# Allegro board 1156197-TDI_VU3P_QSFP28_CXP_V001_1023A-166-20241121_1644_PCB.brd (continued)
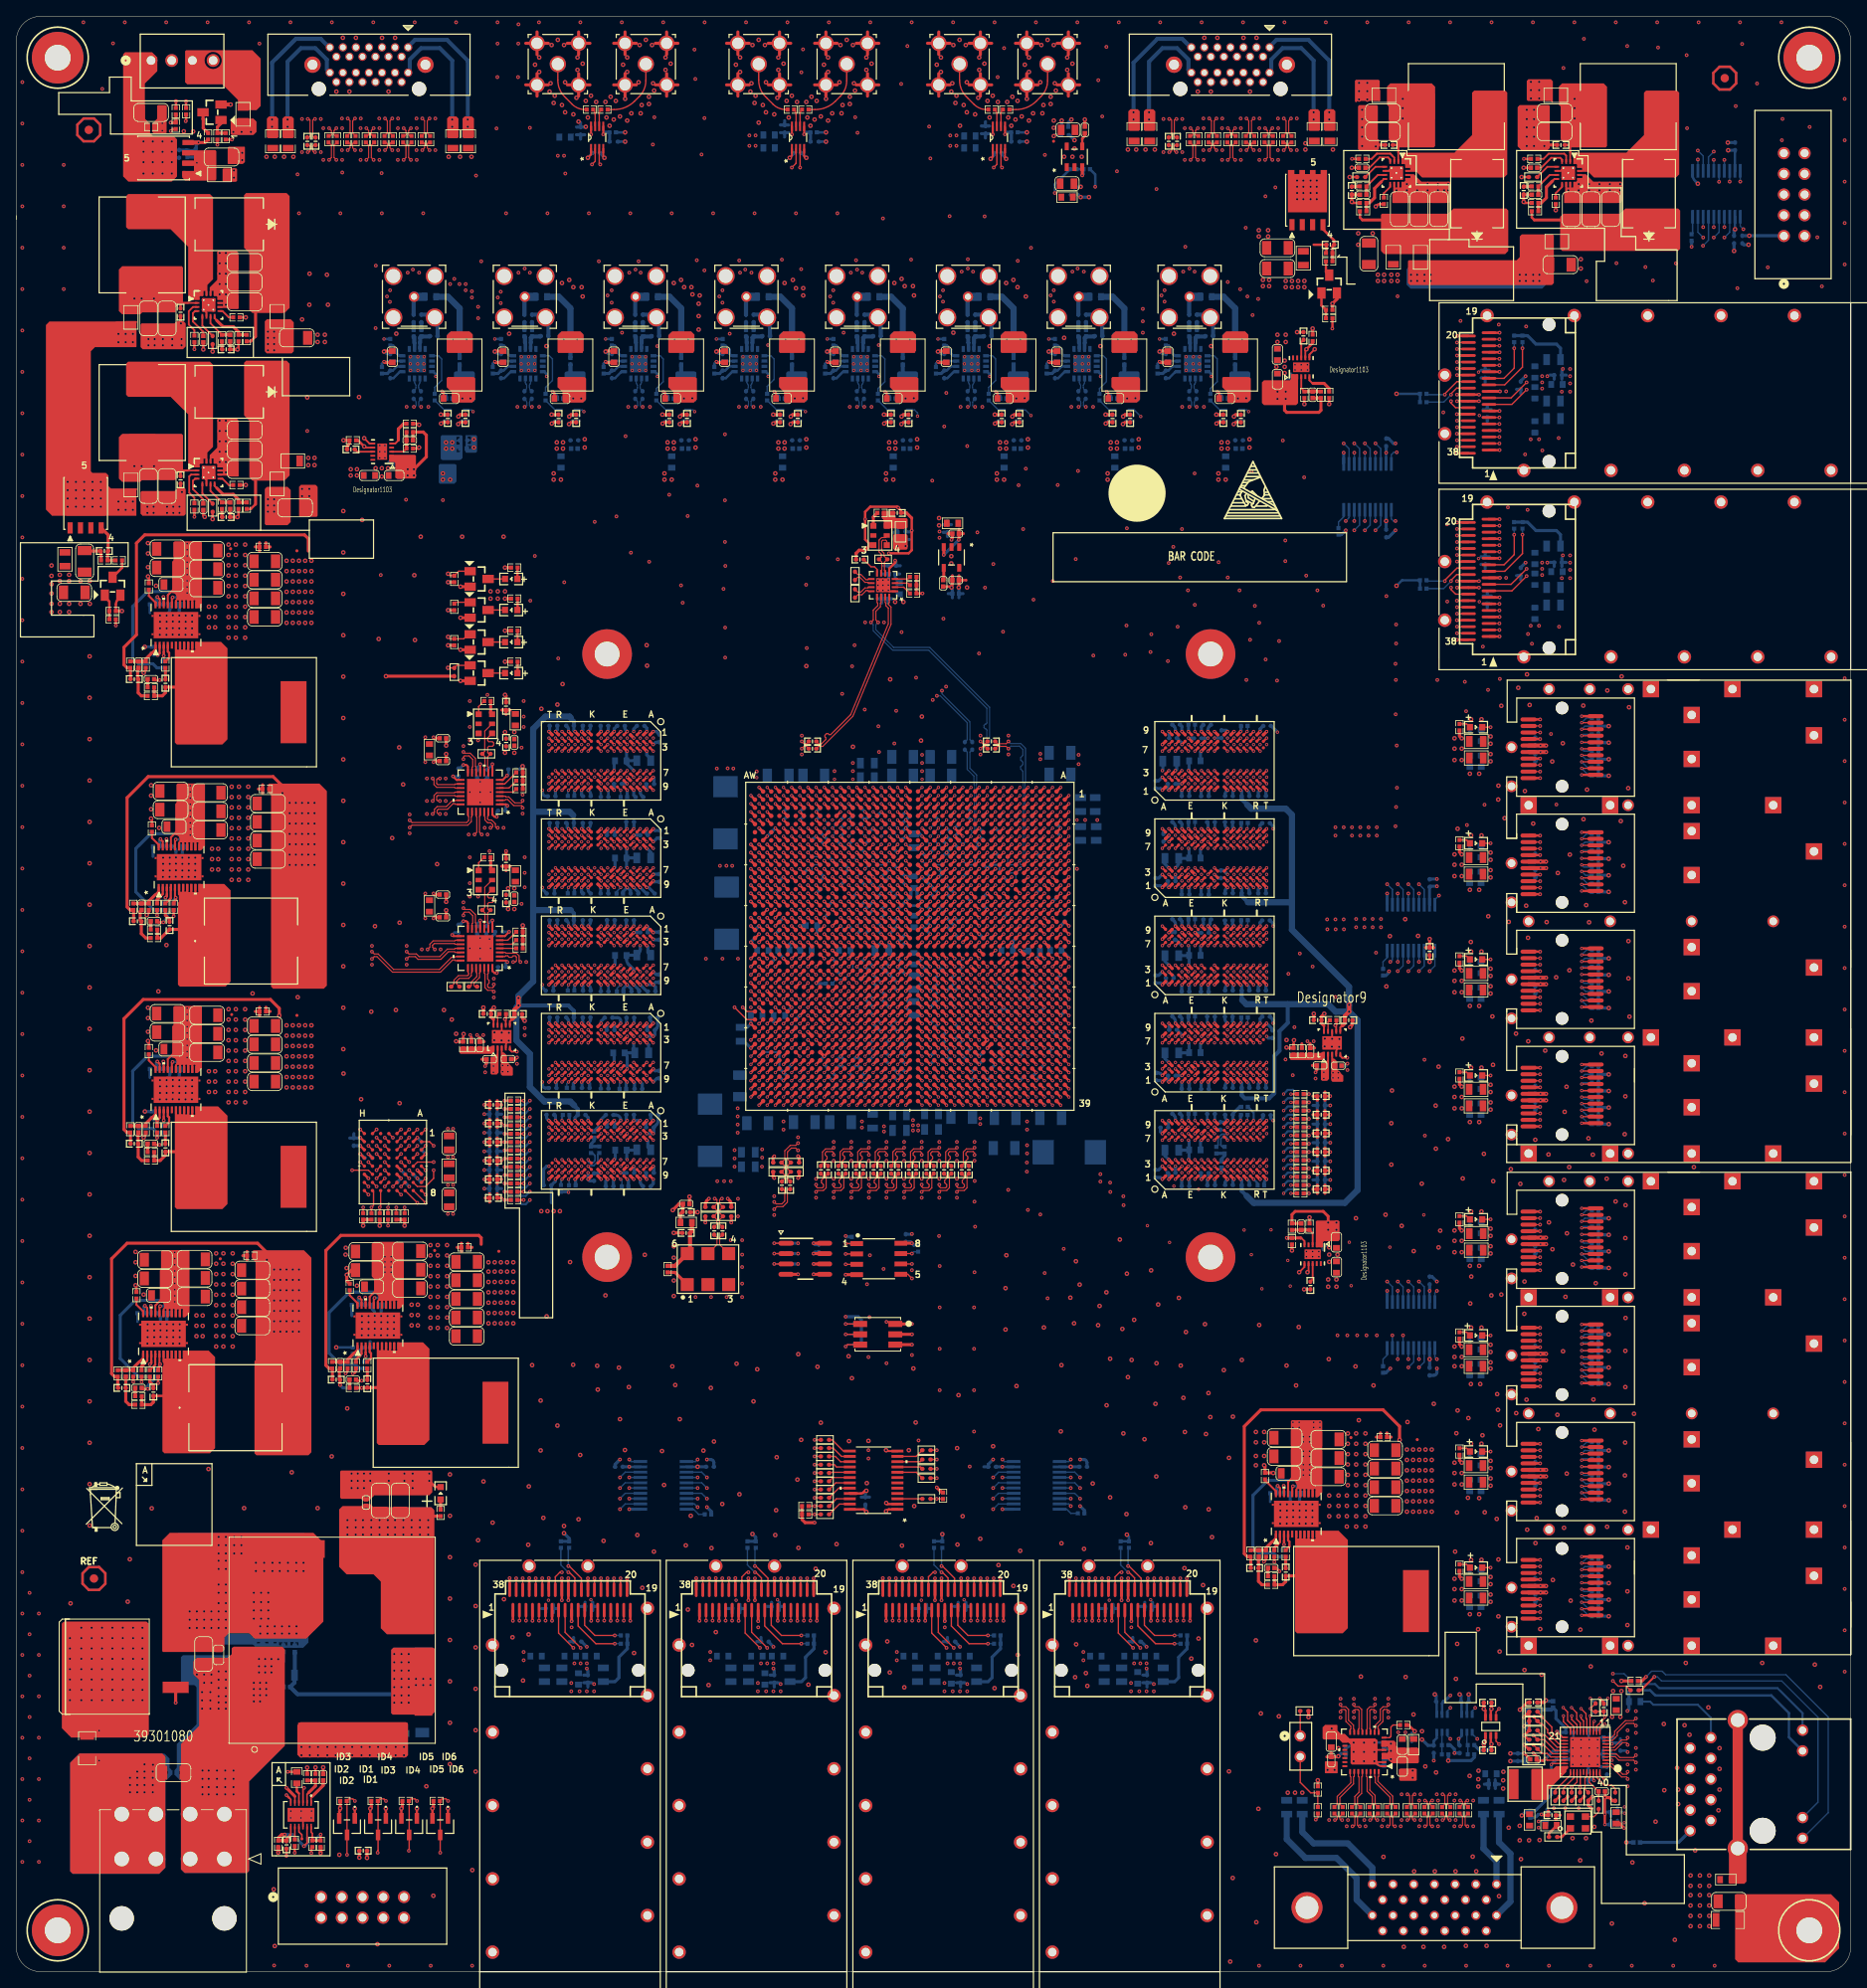
[diagram p0: board, top side]
## Routing (per net, layer and track width the routed paths; a pad name or vN(x,y) marks a point on that pad's centre or on a via; arc(x,y) is an arc through that point) (continued)
CHA_FPGA_DDR4_C2_D52: length 53.5
  TOP w0.267: U1.J18 v1(121.1,128.36) ; U17.H2 v3(146.16,98.86)
  ART07 w0.165: v3(146.16,98.86) 145.76,99.26 145.76,100.12 145.77,100.13
  ART07 w0.191: 145.77,100.13 145.77,100.53 144.7,101.6 139.61,101.6 arc(139.59,101.6) 139.57,101.6 arc(138.97,101.73) 138.47,102.07 133.71,106.83 133.71,115.52 134.85,116.66 134.85,121.06 133.83,122.07 128.73,122.07 128.51,121.86 121.83,121.86 121.6,122.09 121.6,122.65 121.39,122.86 120.86,122.86 120.6,123.11 U1.J18 v1(121.1,128.36)
CHA_FPGA_DDR4_C2_D53: length 54.1
  TOP w0.267: U1.J19 v1(121.1,127.36) ; v3(146.97,102.86) 146.57,103.26 U17.H8
  ART07 w0.165: 146.56,104.72 U17.H8 v3(146.97,102.86)
  ART07 w0.191: v1(121.1,127.36) 121.28,127.36 121.6,127.04 121.6,126.07 121.82,125.86 129.69,125.86 130.3,125.25 137.39,125.25 138.86,123.77 138.86,107.67 139.17,107.37 143.78,107.37 143.97,107.18 143.97,106.36 144.16,106.17 144.54,106.17 144.73,106.36 144.73,107.18 144.92,107.37 145.3,107.37 145.49,107.18 145.49,106.36 145.68,106.17 146.06,106.17 146.25,106.36 146.25,107.18 146.44,107.37 146.85,107.37 147.04,107.18 147.04,105.36 146.56,104.88 146.56,104.72
CHA_FPGA_DDR4_C2_D54: length 55.2
  TOP w0.267: U1.H18 v1(122.1,128.36) ; U17.J3 v3(146.97,99.66)
  ART07 w0.165: v3(146.97,99.66) 148.16,100.86 148.16,104.73 148.21,104.78
  ART07 w0.191: v1(122.1,128.36) 122.13,128.36 122.63,127.86 129.32,127.86 130.38,126.8 139.34,126.8 140.03,126.11 140.03,109.02 140.49,108.56 148.06,108.56 148.59,108.03 148.59,105.16 148.21,104.78
CHA_FPGA_DDR4_C2_D55: length 54.7
  TOP w0.267: U1.H19 v1(122.1,127.36) ; U17.J7 v3(146.97,102.06)
  ART07 w0.165: v3(146.97,102.06) 147.43,102.06 147.62,102.25 147.62,103.07 147.36,103.33 147.36,103.89
  ART07 w0.191: v1(122.1,127.36) 122.1,127.06 122.31,126.86 126.38,126.86 126.74,126.49 127.17,126.49 127.54,126.86 129.51,126.86 130.51,125.86 131.56,125.86 131.91,126.21 132.32,126.21 132.68,125.86 133.08,125.86 133.44,126.21 133.84,126.21 134.2,125.86 134.61,125.86 134.96,126.21 135.37,126.21 135.72,125.86 136.13,125.86 136.49,126.21 136.89,126.21 137.25,125.86 137.64,125.86 138,125.5 138.27,125.5 138.83,126.07 139.1,126.07 139.37,125.8 139.37,125.53 138.8,124.96 138.8,124.7 139.45,124.05 139.45,108.6 140.1,107.95 147.68,107.95 148.01,107.62 148.01,107.28 147.68,106.95 147.68,106.52 148.01,106.19 148.01,105.36 147.6,104.95 147.6,104.24 147.36,104.01 147.36,103.89
CHA_FPGA_DDR4_C2_D56: length 51.4
  TOP w0.267: U1.M21 v1(118.1,124.36) ; U17.A3 v3(140.56,99.66)
  ART16 w0.191: v1(118.1,124.36) 118.1,124.09 118.6,123.59 118.6,123.15 118.87,122.89 119.2,122.89 119.6,122.49 119.6,121.13 119.87,120.86 128.34,120.86 128.6,120.6 128.6,118.11 128.85,117.86 129.62,117.86 132.44,115.04 134.01,115.04 134.87,114.17 134.87,113.83 134.68,113.63 134.05,113.63 133.86,113.44 133.86,113.06 134.05,112.87 134.68,112.87 134.87,112.68 134.87,112.3 134.68,112.11 134.05,112.11 133.86,111.92 133.86,111.54 134.05,111.35 134.68,111.35 134.87,111.16 134.87,110.78 134.68,110.59 134.05,110.59 133.86,110.4 133.86,110.02 134.05,109.82 134.68,109.82 134.87,109.63 134.87,109.25 134.68,109.06 134.05,109.06 133.86,108.87 133.86,108.49 134.05,108.3 134.68,108.3 134.87,108.11 134.87,107.73 134.68,107.54 134.2,107.54 134.01,107.35 134.01,106.97 134.2,106.78 134.68,106.78 134.87,106.59 134.87,101.93 136.73,100.08 140.15,100.08 v3(140.56,99.66)
CHA_FPGA_DDR4_C2_D57: length 48.1
  TOP w0.267: U17.B8 v3(142.17,102.86) ; U1.M20 v1(118.1,126.36)
  ART16 w0.165: 141.77,104.79 141.77,103.95 142.17,103.55 v3(142.17,102.86)
  ART16 w0.191: v1(118.1,126.36) 118.32,126.36 119.86,124.82 122.3,124.82 122.68,124.43 123.52,124.43 123.89,124.8 129.33,124.8 129.67,124.46 130.78,124.46 138.35,116.89 138.35,107.56 138.54,107.37 139.18,107.37 139.37,107.18 139.37,106.8 139.18,106.61 138.54,106.61 138.35,106.42 138.35,105.96 138.54,105.77 139.41,105.77 139.6,105.58 139.6,104.94 139.79,104.75 140.18,104.75 140.37,104.94 140.37,106.62 140.56,106.81 140.94,106.81 141.13,106.62 141.13,105.19 141.32,105 141.55,105 141.77,104.79
CHA_FPGA_DDR4_C2_D58: length 49.1
  TOP w0.267: U17.C3 v3(142.17,99.66) ; U1.N19 v1(116.1,126.36)
  ART16 w0.165: v3(142.17,99.66) 142.17,101.17 141.77,101.57 141.77,102.26 141.56,102.46 140.41,102.46 140.18,102.69
  ART16 w0.191: 140.18,102.69 139.88,103 139.12,103 138.73,102.62 138.35,102.62 137.97,103 137.69,103 137.16,103.53 137.16,116.33 130.64,122.86 120.96,122.86 120.6,123.21 120.6,123.62 120.36,123.86 119.35,123.86 118.39,124.82 115.98,124.82 115.64,125.16 115.64,125.89 v1(116.1,126.36)
CHA_FPGA_DDR4_C2_D59: length 49.3
  TOP w0.267: U17.C7 v3(142.17,102.06) ; U1.M19 117.1,127.36 v1(117.1,127.36)
  ART16 w0.165: 141.78,103.08 141.78,103.04 141.77,103.03 141.77,102.7 142.17,102.31 v3(142.17,102.06)
  ART16 w0.191: v1(117.1,127.36) 116.8,127.36 116.6,127.16 116.6,125.72 116.9,125.42 117.17,125.42 117.55,125.81 118.29,125.81 118.75,125.35 118.75,125.09 119.51,124.33 120.45,124.33 120.92,123.86 130.52,123.86 137.78,116.6 137.78,105.32 137.97,105.13 138.77,105.13 138.96,104.94 138.96,104.56 138.77,104.37 137.97,104.37 137.78,104.18 137.78,103.8 137.97,103.61 139.32,103.61 139.67,103.96 140.18,103.96 140.54,103.61 141.45,103.61 141.78,103.28 141.78,103.08
CHA_FPGA_DDR4_C2_D60: length 51.1
  TOP w0.267: U1.M22 v1(118.1,123.36) ; U17.C2 v3(142.97,98.86)
  ART16 w0.191: v1(118.1,123.36) 118.1,123 118.6,122.5 118.6,121.11 118.83,120.88 119.28,120.88 119.6,120.56 119.6,120.18 119.92,119.86 127.28,119.86 127.6,119.54 127.6,117.08 127.82,116.86 129.75,116.86 132.16,114.45 132.99,114.45 133.22,114.22 133.22,106.19 133.41,106 134.05,106 134.24,105.81 134.24,105.43 134.05,105.24 133.41,105.24 133.22,105.05 133.22,104.67 133.41,104.47 134.05,104.47 134.24,104.28 134.24,103.9 134.05,103.71 133.41,103.71 133.22,103.52 133.22,102.67 137.59,98.3 138.58,98.3 138.77,98.49 138.77,99.2 138.96,99.39 139.34,99.39 139.54,99.2 139.54,98.49 139.73,98.3 142.4,98.3 v3(142.97,98.86)
CHA_FPGA_DDR4_C2_D61: length 46.5
  TOP w0.267: U1.L18 v1(119.1,128.36) ; U17.C8 v3(142.97,103.66)
  ART16 w0.165: 143.36,104.81 143.37,104.8 143.37,103.86 143.17,103.66 v3(142.97,103.66)
  ART16 w0.191: 143.36,104.81 143.36,104.95 144.3,105.89 144.3,107.29 143.59,108 140.26,108 139.51,108.75 139.51,117.41 131.1,125.82 120.94,125.82 120.6,126.16 120.6,126.54 120.29,126.86 118.76,126.86 118.57,127.05 118.57,128.17 118.76,128.36 v1(119.1,128.36)
CHA_FPGA_DDR4_C2_D62: length 48.2
  TOP w0.267: U1.L20 v1(119.1,126.36) ; U17.D3 v3(142.97,99.66)
  ART16 w0.165: 142.57,104.7 142.57,100.06 v3(142.97,99.66)
  ART16 w0.191: 142.57,104.7 142.57,105.05 143.64,106.12 143.64,107.14 143.38,107.39 142.82,107.39 142.63,107.2 142.63,106.87 142.44,106.68 142.06,106.68 141.87,106.87 141.87,107.2 141.68,107.39 140.06,107.39 138.94,108.51 138.94,117.12 130.86,125.2 129.84,125.2 129.71,125.34 123.74,125.34 123.29,124.89 122.94,124.89 122.49,125.34 120.79,125.34 120.28,125.85 119.61,125.85 v1(119.1,126.36)
CHA_FPGA_DDR4_C2_D63: length 46.8
  TOP w0.267: U1.L19 v1(119.1,127.36) ; U17.D7 v3(142.97,102.86)
  ART16 w0.165: 144.31,104.94 144.23,104.86 arc(144.18,104.79) 144.17,104.72 144.17,104.71 144.17,104.71 144.17,103.51 143.92,103.26 143.37,103.26 v3(142.97,102.86)
  ART16 w0.191: v1(119.1,127.36) 119.6,127.86 120.27,127.86 120.6,127.52 120.6,127.13 120.87,126.86 129.4,126.86 129.82,126.44 131.34,126.44 140.08,117.7 140.08,109.02 140.49,108.61 143.89,108.61 144.86,107.65 144.86,105.49 144.31,104.94
CHA_FPGA_DDR4_C2_D64: length 35.7
  TOP w0.267: U16.G2 v3(145.37,145.82) ; U1.F9 v1(124.1,137.36)
  ART12 w0.165: 144.97,144.88 144.97,145.41 v3(145.37,145.82)
  ART12 w0.191: v1(124.1,137.36) 124.43,137.36 124.93,137.86 125.31,137.86 125.6,138.15 125.6,138.55 125.9,138.86 129.56,138.86 129.79,139.09 129.79,140.53 129.98,140.72 130.36,140.72 130.55,140.53 130.55,139 130.74,138.81 131.12,138.81 131.31,139 131.31,140.53 131.51,140.72 131.89,140.72 132.08,140.53 132.08,139 132.27,138.81 132.97,138.81 133.22,139.06 133.22,143 134.67,144.45 144.73,144.45 144.97,144.69 144.97,144.88
CHA_FPGA_DDR4_C2_D65: length 36.2
  TOP w0.267: U16.F7 v3(144.57,149.82) ; U1.F8 v1(124.1,138.36)
  ART12 w0.165: 140.31,150.22 144.17,150.22 v3(144.57,149.82)
  ART12 w0.191: v1(124.1,138.36) 123.6,138.86 122.76,138.86 122.6,139.02 122.6,146.48 123.7,147.57 127.83,147.57 128.04,147.79 128.04,148.15 128.23,148.34 128.62,148.34 128.81,148.15 128.81,147.76 129,147.57 129.41,147.57 129.67,147.83 129.67,149.48 130.4,150.22 140.31,150.22
CHA_FPGA_DDR4_C2_D66: length 36.1
  TOP w0.267: U16.H3 v3(146.16,147.42) ; U1.E8 v1(125.1,138.36)
  ART12 w0.165: 142.7,146.22 145.52,146.22 145.76,146.46 145.76,146.77 146.16,147.17 v3(146.16,147.42)
  ART12 w0.191: 142.7,146.22 142.43,145.95 140.72,145.95 139.98,145.21 139.57,145.21 139.38,145.4 139.38,146.27 139.19,146.46 138.81,146.46 138.62,146.27 138.62,145.4 138.43,145.21 138.04,145.21 137.85,145.4 137.85,146.27 137.66,146.46 137.28,146.46 137.09,146.27 137.09,145.4 136.9,145.21 136.52,145.21 136.33,145.4 136.33,146.27 136.14,146.46 135.76,146.46 135.57,146.27 135.57,145.4 135.38,145.21 135,145.21 134.81,145.4 134.81,146.27 134.62,146.46 134.23,146.46 134.04,146.27 134.04,145.09 131.14,142.19 129.72,142.19 129.39,141.86 126.87,141.86 126.59,141.58 126.59,140 126.45,139.86 125.96,139.86 125.6,139.49 125.6,139.22 125.1,138.72 v1(125.1,138.36)
CHA_FPGA_DDR4_C2_D67: length 35.9
  TOP w0.267: U16.H7 v3(146.16,149.82) ; U1.G9 v1(123.1,137.36)
  ART12 w0.165: v3(146.16,149.82) 145.76,149.42 145.76,147.26 145.52,147.02 140.1,147.02 140.07,147.04
  ART12 w0.191: 140.07,147.04 133.32,147.04 133.07,146.79 133.07,145.47 131.5,143.89 131.08,143.89 130.89,143.7 130.89,143.24 130.69,143.05 130.31,143.05 130.12,143.24 130.12,143.67 129.93,143.86 124.81,143.86 124.6,143.65 124.6,138.19 124.23,137.82 123.56,137.82 v1(123.1,137.36)
CHA_FPGA_DDR4_C2_D68: length 37.6
  TOP w0.267: U1.E11 v1(125.1,135.36) ; U16.H2 v3(146.16,145.82)
  ART12 w0.165: 145.76,144.82 145.76,145.42 v3(146.16,145.82)
  ART12 w0.191: 145.76,144.82 145.76,144.65 144.88,143.76 142.87,143.76 142.68,143.57 142.68,143.14 142.49,142.95 142.11,142.95 141.92,143.14 141.92,143.57 141.73,143.76 141.35,143.76 141.16,143.57 141.16,143.04 140.96,142.85 140.58,142.85 140.39,143.04 140.39,143.57 140.2,143.76 139.82,143.76 139.63,143.57 139.63,143.04 139.44,142.85 139.06,142.85 138.87,143.04 138.87,143.57 138.68,143.76 138.3,143.76 138.11,143.57 138.11,143.04 137.92,142.85 137.54,142.85 137.35,143.04 137.35,143.57 137.15,143.76 136.77,143.76 136.58,143.57 136.58,143.04 136.39,142.85 136.01,142.85 135.82,143.04 135.82,143.57 135.63,143.76 135,143.76 133.99,142.75 133.99,138.05 133.43,137.49 130.1,137.49 129.73,137.86 126.85,137.86 126.59,137.6 126.59,137.11 126.31,136.83 125.81,136.83 125.6,136.62 125.6,136.14 125.1,135.64 v1(125.1,135.36)
CHA_FPGA_DDR4_C2_D69: length 37.5
  TOP w0.267: U1.F12 v1(124.1,134.36) ; U16.H8 v3(146.16,150.62)
  ART12 w0.165: v3(146.16,150.62) 146.18,150.62 146.56,150.23 146.56,144.82
  ART12 w0.191: 146.56,144.82 146.56,144.35 144.48,142.27 135.03,142.27 134.62,141.86 134.62,137.34 134.14,136.86 129.99,136.86 129.99,136.86 126.87,136.86 126.62,136.6 126.62,136.17 126.31,135.86 125.9,135.86 125.6,135.56 125.6,135.2 125.26,134.86 124.39,134.86 124.1,134.57 v1(124.1,134.36)
CHA_FPGA_DDR4_C2_D70: length 37.5
  TOP w0.267: U16.J3 v3(146.97,147.42) ; U1.D11 v1(126.1,135.36)
  ART12 w0.191: v1(126.1,135.36) 126.44,135.36 126.94,135.86 129.66,135.86 129.97,136.17 134.8,136.17 135.48,136.85 136.21,136.85 136.42,137.06 136.42,137.42 136.23,137.61 135.55,137.61 135.36,137.8 135.36,138.18 135.55,138.37 136.21,138.37 136.42,138.59 136.42,138.94 136.23,139.13 135.55,139.13 135.36,139.32 135.36,139.71 135.55,139.9 136.21,139.9 136.42,140.11 136.42,140.47 136.23,140.66 135.55,140.66 135.36,140.85 135.36,141.41 135.55,141.6 144.78,141.6 147.45,144.27 147.45,146.93 v3(146.97,147.42)
CHA_FPGA_DDR4_C2_D71: length 38
  TOP w0.267: U1.E12 v1(125.1,134.36) ; U16.J7 v3(146.97,149.82)
  ART12 w0.191: v1(125.1,134.36) 125.44,134.36 125.94,134.86 129.33,134.86 129.41,134.77 135,134.77 135.29,135.06 135.29,135.34 135.48,135.53 135.86,135.53 136.05,135.34 136.05,135.06 136.24,134.87 136.7,134.87 137.21,135.38 137.21,139.88 138.18,140.84 144.88,140.84 148.01,143.97 148.01,147.6 146.97,148.64 v3(146.97,149.82)
CHA_FPGA_DDR4_C2_D72: length 32.4
  TOP w0.267: U1.A12 v1(129.1,134.36) ; U16.A3 v3(141.36,147.42)
  ART05 w0.165: v3(141.36,147.42) U16.A3 140.37,147.02
  ART05 w0.191: v1(129.1,134.36) 129.98,134.36 130.33,134.01 135.92,134.01 136.39,134.48 136.39,139.04 136.58,139.23 137.53,139.23 137.72,139.42 137.72,139.8 137.53,139.99 136.58,139.99 136.39,140.18 136.39,140.57 136.58,140.76 137.53,140.76 137.72,140.95 137.72,141.33 137.53,141.52 136.58,141.52 136.39,141.71 136.39,142.09 136.58,142.28 137.53,142.28 137.72,142.47 137.72,142.85 137.53,143.04 136.58,143.04 136.39,143.23 136.39,144.01 136.58,144.2 136.91,144.2 137.21,143.89 137.77,143.89 139.57,145.69 139.57,146.79 139.8,147.02 140.37,147.02
CHA_FPGA_DDR4_C2_D73: length 31.4
  TOP w0.267: U16.B8 v3(141.36,150.62) ; U1.A9 v1(129.1,137.36)
  ART05 w0.191: v1(129.1,137.36) 129.91,137.36 130.2,137.64 130.2,139.05 130.39,139.24 131.28,139.24 131.47,139.43 131.47,139.81 131.28,140 130.39,140 130.2,140.19 130.2,140.77 130.56,141.12 130.56,141.71 130.77,141.92 131.38,141.92 131.57,142.12 131.57,142.5 131.38,142.69 130.37,142.69 130.18,142.88 130.18,143.26 130.37,143.45 131.38,143.45 131.57,143.64 131.57,144.02 131.38,144.21 130.42,144.21 130.23,144.4 130.23,144.98 130.84,145.59 131.11,145.59 131.4,145.3 131.66,145.3 131.93,145.57 131.93,145.84 131.64,146.13 131.64,146.4 136.3,151.05 141.05,151.05 141.36,150.74 v3(141.36,150.62)
CHA_FPGA_DDR4_C2_D74: length 35
  TOP w0.267: v1(127.1,134.36) 127.1,134.36 U1.B12 ; U16.C3 v3(142.97,147.42)
  ART05 w0.165: v3(142.97,147.42) 142.97,147.21 142.77,147.02 141.99,147.02 141.77,146.79 141.77,146.42
  ART05 w0.191: 141.77,146.42 141.77,146.24 141.57,146.05 140.28,146.05 140.11,145.87 140.11,145.03 138.3,143.23 138.3,138.75 138.11,138.56 137.15,138.56 136.96,138.37 136.96,137.99 137.15,137.8 138.11,137.8 138.3,137.61 138.3,137.23 138.11,137.04 137.15,137.04 136.96,136.84 136.96,136.46 137.15,136.27 138.11,136.27 138.3,136.08 138.3,135.7 138.11,135.51 137.15,135.51 136.96,135.32 136.96,133.6 136.7,133.35 130.28,133.35 129.77,133.86 128.39,133.86 128.14,134.1 128.14,134.58 127.95,134.77 127.33,134.77 127.1,134.54 v1(127.1,134.36)
CHA_FPGA_DDR4_C2_D75: length 34.1
  TOP w0.267: U16.C7 v3(142.17,149.82) ; U1.B11 v1(128.1,135.36)
  ART05 w0.191: v1(128.1,135.36) 128.6,134.86 130.34,134.86 130.56,134.65 135.41,134.65 135.8,135.04 135.8,145.02 136.25,145.47 136.52,145.47 137.37,144.62 137.64,144.62 137.91,144.89 137.91,145.16 137.06,146.01 137.06,146.28 137.33,146.55 137.6,146.55 138.45,145.7 138.72,145.7 138.99,145.97 138.99,146.24 138.14,147.09 138.14,147.36 138.71,147.93 141.83,147.93 142.17,148.26 v3(142.17,149.82)
CHA_FPGA_DDR4_C2_D76: length 33.2
  TOP w0.267: U1.A13 v1(129.1,133.36) ; U16.C2 v3(142.17,146.62)
  ART05 w0.165: 142.57,144.83 142.57,146.46 142.41,146.62 v3(142.17,146.62)
  ART05 w0.191: 142.57,144.83 142.57,144.67 142.37,144.48 140.72,144.48 140.28,144.04 140.28,143.61 141.32,142.58 141.32,142.31 141.05,142.04 140.78,142.04 139.65,143.17 139.38,143.17 138.89,142.67 138.89,135.03 138.7,134.84 137.76,134.84 137.57,134.65 137.57,134.27 137.76,134.08 138.7,134.08 138.89,133.89 138.89,133.4 138.25,132.77 130.15,132.77 129.56,133.36 v1(129.1,133.36)
CHA_FPGA_DDR4_C2_D77: length 31.5
  TOP w0.267: U1.B9 v1(128.1,137.36) ; U16.C8 v3(142.17,150.62)
  ART05 w0.165: 140.34,150.22 141.77,150.22 v3(142.17,150.62)
  ART05 w0.191: 140.34,150.22 137.69,150.22 137.16,149.69 136.89,149.69 136.47,150.11 136.2,150.11 135.93,149.84 135.93,149.58 136.36,149.15 136.36,148.88 136.09,148.61 135.82,148.61 135.39,149.04 135.12,149.04 134.85,148.77 134.85,148.5 135.28,148.07 135.28,147.8 135.01,147.53 134.74,147.53 134.31,147.96 134.04,147.96 133.77,147.69 133.77,147.42 134.2,146.99 134.2,146.72 133.93,146.45 133.66,146.45 133.23,146.88 132.96,146.88 132.69,146.61 132.69,146.34 133.12,145.91 133.12,145.64 132.18,144.7 132.18,141.83 131.83,141.48 131.83,141.1 132.05,140.87 132.05,137.79 131.17,136.91 128.55,136.91 v1(128.1,137.36)
CHA_FPGA_DDR4_C2_D78: length 34.4
  TOP w0.267: U16.D3 v3(142.97,146.62) ; U1.C11 v1(127.1,135.36)
  ART05 w0.165: 143.37,144.65 143.37,146.22 v3(142.97,146.62)
  ART05 w0.191: 143.37,144.65 143.37,143.54 143.02,143.2 142.75,143.2 142.35,143.6 142.08,143.6 141.81,143.33 141.81,143.06 142.21,142.66 142.21,142.39 141.27,141.45 140.26,141.45 139.47,140.67 139.47,133.07 138.53,132.13 130,132.13 129.27,132.86 127.87,132.86 127.6,133.13 127.6,133.56 127.31,133.86 126.93,133.86 126.6,134.18 U1.C11 v1(127.1,135.36)
CHA_FPGA_DDR4_C2_D79: length 35.4
  TOP w0.267: U16.D7 v3(143.77,149.82) ; U1.C12 127.1,133.36 v1(127.1,133.36)
  ART05 w0.165: v3(143.77,149.82) 144.17,149.42 144.17,144.65
  ART05 w0.191: 144.17,144.65 144.17,143.38 141.66,140.87 140.49,140.87 140.06,140.44 140.06,132.84 138.73,131.52 129.62,131.52 129.28,131.86 127.91,131.86 127.54,132.23 arc(127.21,132.71) 127.1,133.29 v1(127.1,133.36)
CHA_FPGA_DDR4_C2_DM0: length 38.8
  TOP w0.267: U1.P14 v1(116.1,132.36) ; U13.E7 v3(144.57,126.74)
  ART12 w0.165: v3(144.57,126.74) 144.97,127.14 144.97,128.52
  ART12 w0.191: 144.97,128.52 144.97,131.26 144.45,131.78 143.85,131.78 143.66,131.58 143.66,130.39 143.47,130.2 143.09,130.2 142.89,130.39 142.89,131.58 142.7,131.78 140.39,131.78 139.3,132.86 118.28,132.86 117.28,131.86 116.6,131.86 v1(116.1,132.36)
CHA_FPGA_DDR4_C2_DM1: length 35.9
  TOP w0.267: U13.E2 v3(144.57,122.74) ; U1.J13 v1(121.1,133.36)
  ART16 w0.165: v3(144.57,122.74) 144.17,123.13 144.17,124.72 arc(143.99,125.25) 143.51,125.54 143.37,125.72 143.37,126.1 143.12,126.34 142.81,126.34 142.57,126.58 142.57,128.51
  ART16 w0.191: 142.57,128.51 142.57,128.68 142.16,129.08 142.16,129.77 140.47,131.46 139.64,131.46 138.89,132.21 138.89,133.3 137.5,134.68 137.5,134.99 136.22,136.27 132.24,136.27 arc(132,136.22) 131.79,136.08 130.96,135.26 130.81,135.19 130.65,135.19 130.54,135.08 130.49,135.06 arc(130.34,134.95) 130.18,134.89 arc(130.03,134.86) 129.88,134.86 123.93,134.86 123.54,134.47 122.78,134.47 122.39,134.86 121.93,134.86 121.56,134.49 121.56,133.82 v1(121.1,133.36)
CHA_FPGA_DDR4_C2_DM2: length 32.8
  TOP w0.267: U14.E7 v3(144.57,138.68) ; U1.G15 v1(123.1,131.36)
  ART03 w0.165: 140.87,139.7 141.05,139.88 143.94,139.88 144.17,139.65 144.17,139.08 v3(144.57,138.68)
  ART03 w0.191: 140.87,139.7 140.08,139.7 139.7,140.08 136.11,140.08 135.92,139.89 135.92,139.02 135.7,138.8 135.34,138.8 135.15,138.99 135.15,139.89 134.96,140.08 134.58,140.08 134.39,139.89 134.39,139.64 134.2,139.45 133.35,139.45 131.87,137.97 131.42,137.97 131.11,137.66 131.11,137.2 130.76,136.86 124.86,136.86 124.61,136.61 124.61,136.17 124.3,135.86 123.92,135.86 123.6,135.54 123.6,135.16 123.06,134.62 123.06,133.1 123.56,132.6 123.56,131.82 v1(123.1,131.36)
CHA_FPGA_DDR4_C2_DM3: length 25.2
  TOP w0.267: U1.D14 v1(126.1,132.36) ; U14.E2 v3(143.77,133.88)
  ART07 w0.165: v3(143.77,133.88) 143.45,133.56 143.37,133.36 143.37,132.89
  ART07 w0.191: v1(126.1,132.36) 125.82,132.07 arc(125.66,131.83) 125.6,131.55 125.6,130.23 125.97,129.86 126.25,129.86 126.62,129.49 126.62,129.13 126.9,128.86 129.99,128.86 130.39,128.46 130.41,128.46 130.46,128.41 137.53,128.41 138.44,128.59 139.57,129.06 139.58,129.06 143.37,132.85 143.37,132.89
CHA_FPGA_DDR4_C2_DM4: length 35.8
  TOP w0.267: U1.B20 v1(128.1,126.36) ; U15.E7 v3(143.77,114.8)
  ART05 w0.165: 143.37,116.59 143.37,115.2 v3(143.77,114.8)
  ART05 w0.191: 143.37,116.59 143.37,116.78 143.17,116.97 141.61,116.97 138.23,120.35 138.23,128.46 138.04,128.65 137.64,128.65 137.45,128.46 137.45,127.14 137.26,126.95 136.88,126.95 136.69,127.14 136.69,128.46 136.5,128.65 136.12,128.65 135.93,128.46 135.93,127.14 135.74,126.95 135.36,126.95 135.17,127.14 135.17,128.46 134.98,128.65 130.43,128.65 130.18,128.4 130.18,127.38 129.65,126.86 128.6,126.86 v1(128.1,126.36)
CHA_FPGA_DDR4_C2_DM5: length 30.7
  TOP w0.267: U15.E2 v3(143.77,110.8) ; U1.E20 v1(125.1,126.36)
  ART03 w0.165: v3(143.77,110.8) 143.51,111.05 arc(143.4,111.23) 143.36,111.43 143.36,111.44 143.36,111.76 143.36,111.77 143.36,112.44 arc(143.27,112.87) 143.03,113.23 142.73,113.53 arc(142.61,113.71) 142.57,113.93 142.57,116.57
  ART03 w0.191: v1(125.1,126.36) 125.1,126.36 arc(125.6,126.02) 126.18,125.91 129.24,125.91 arc(129.35,125.93) 129.45,125.99 130.06,126.61 arc(130.09,126.63) 130.12,126.65 130.18,126.67 arc(130.28,126.71) 130.39,126.72 134.49,126.72 138.72,122.49 arc(138.86,122.28) 138.91,122.04 138.91,120.73 arc(138.96,120.52) 139.08,120.33 142.46,116.95 arc(142.54,116.83) 142.57,116.69 142.57,116.57
CHA_FPGA_DDR4_C2_DM6: length 54.9
  TOP w0.267: U1.H22 v1(121.1,123.36) ; U17.E7 v3(143.77,102.86)
  ART07 w0.165: 142.73,103.26 143.37,103.26 v3(143.77,102.86)
  ART07 w0.191: 142.73,103.26 142.71,103.26 142.01,103.96 141.72,103.96 141.39,103.63 140.96,103.63 140.63,103.96 138.43,103.96 134.98,107.42 134.98,110.37 135.17,110.56 136.92,110.56 137.11,110.75 137.11,111.13 136.92,111.32 135.17,111.32 134.98,111.51 134.98,111.89 135.17,112.08 136.92,112.08 137.11,112.27 137.11,112.65 136.92,112.84 135.17,112.84 134.98,113.03 134.98,113.41 135.17,113.6 136.92,113.6 137.11,113.79 137.11,121.31 136.52,121.89 136.52,122.16 137.06,122.69 137.06,122.96 136.79,123.23 136.52,123.23 135.99,122.7 135.72,122.7 134.98,123.44 129.72,123.44 129.3,123.86 121.34,123.86 121.1,123.62 v1(121.1,123.36)
CHA_FPGA_DDR4_C2_DM7: length 48.3
  TOP w0.267: U1.N22 117.1,124.36 v1(117.1,124.36) ; U17.E2 v3(143.77,98.06)
  ART16 w0.165: 140.23,97.66 143.23,97.66 arc(143.36,97.69) 143.46,97.76 v3(143.77,98.06)
  ART16 w0.191: 140.23,97.66 137.6,97.66 arc(137.4,97.7) 137.24,97.82 132.59,102.46 132.59,112.68 arc(132.51,113.1) 132.27,113.45 130.28,115.44 arc(130.23,115.49) 130.18,115.53 arc(129.75,115.77) 129.27,115.86 127.86,115.86 127.6,116.11 127.6,116.49 127.24,116.86 126.91,116.86 126.6,117.16 126.6,118.59 126.34,118.85 119.91,118.85 119.6,119.16 119.6,119.54 119.28,119.86 118.9,119.86 118.6,120.16 118.6,120.54 118.28,120.86 117.9,120.86 117.6,121.16 117.6,123.86 v1(117.1,124.36)
CHA_FPGA_DDR4_C2_DM8: length 37.9
  TOP w0.267: U16.E7 v3(143.77,150.62) ; U1.F10 v1(124.1,136.36)
  ART12 w0.191: v3(143.77,150.62) 143.17,151.21 130.12,151.21 127.08,148.16 123.27,148.16 121.6,146.49 121.6,137.07 121.82,136.86 123.6,136.86 v1(124.1,136.36)
CHA_FPGA_DDR4_C2_DM9: length 32.4
  TOP w0.267: U16.E2 v3(143.77,146.62) ; U1.D9 v1(126.1,137.36)
  ART05 w0.165: v3(143.77,146.62) 143.51,146.87 arc(143.4,147.03) 143.37,147.22 143.37,147.58 arc(143.35,147.7) 143.32,147.82 142.62,149.45 arc(142.58,149.59) 142.57,149.73 142.57,150.73 arc(142.54,150.85) 142.48,150.94
  ART05 w0.191: v1(126.1,137.36) 126.24,137.49 arc(126.6,137.74) 127.04,137.82 129.08,137.82 arc(129.23,137.85) 129.35,137.93 129.46,138.05 arc(129.57,138.2) 129.6,138.38 129.6,144.81 arc(129.67,145.17) 129.88,145.47 135.83,151.43 arc(136.09,151.6) 136.4,151.66 141.19,151.66 arc(141.71,151.56) 142.16,151.26 142.48,150.94
CHA_FPGA_DDR4_C2_DQS0_N: length 34.6
  TOP w0.211: U13.F3 v3(144.57,123.54) ; U1.L14 v1(118.1,131.36)
  ART12 w0.102: 129.57,130.7 129.54,130.7 129.49,130.76 118.72,130.76 118.5,130.98 118.5,131.26 118.4,131.36 v1(118.1,131.36)
  ART12 w0.178: v3(144.57,123.54) 144.81,123.79 144.81,124.76 144.57,124.99 139.82,124.99 139.14,125.68 139.14,129.84 138.28,130.7 129.57,130.7
CHA_FPGA_DDR4_C2_DQS0_P: length 34.8
  TOP w0.211: U1.L15 v1(119.1,131.36) ; U13.G3 v3(145.37,123.54)
  ART12 w0.102: v1(119.1,131.36) 118.8,131.36 118.7,131.26 118.7,131.06 118.8,130.96 129.49,130.96 129.54,131.01 129.57,131.01
  ART12 w0.178: 129.57,131.01 138.41,131.01 139.45,129.97 139.45,125.81 139.95,125.3 144.7,125.3 145.12,124.88 145.12,123.79 v3(145.37,123.54)
CHA_FPGA_DDR4_C2_DQS1_N: length 38.3
  TOP w0.152: U1.K16 v1(120.1,130.36)
  TOP w0.211: U13.A7 v3(140.56,125.94)
  ART16 w0.102: 129.62,132.01 129.59,132.01 129.54,131.96 120.8,131.96 120.5,131.66 120.5,130.11 120.5,130.07 120.5,129.99 120.33,129.82 120.2,129.82 120.1,129.92 v1(120.1,130.36)
  ART16 w0.178: 129.62,132.01 132.91,132.01 133.38,131.54 133.63,131.54 134.69,132.6 135.19,132.6 135.88,131.92 135.88,131.41 134.82,130.35 134.82,130.1 135.32,129.6 135.57,129.6 136.63,130.66 137.14,130.66 137.82,129.97 137.82,129.47 136.76,128.41 136.76,128.16 137.27,127.66 137.52,127.66 138.57,128.71 139.08,128.71 139.76,128.03 139.76,127.52 138.71,126.47 138.71,126.21 139.7,125.22 140.52,125.22 140.89,125.59 140.89,125.76 140.71,125.94 v3(140.56,125.94)
CHA_FPGA_DDR4_C2_DQS1_P: length 38.3
  TOP w0.152: U1.K17 v1(120.1,129.36)
  TOP w0.211: U13.B7 v3(141.36,125.94)
  ART16 w0.102: 129.62,131.7 129.59,131.7 129.54,131.76 120.88,131.76 120.7,131.57 120.7,129.99 120.7,129.9 120.42,129.62 120.2,129.62 120.1,129.52 v1(120.1,129.36)
  ART16 w0.178: 129.62,131.7 132.78,131.7 133.25,131.24 133.76,131.24 134.81,132.29 135.06,132.29 135.57,131.79 135.57,131.54 134.51,130.48 134.51,129.98 135.19,129.29 135.7,129.29 136.76,130.35 137.01,130.35 137.51,129.85 137.51,129.59 136.46,128.54 136.46,128.03 137.14,127.35 137.65,127.35 138.7,128.4 138.95,128.4 139.46,127.9 139.46,127.65 138.4,126.59 138.4,126.09 139.57,124.91 140.65,124.91 141.2,125.46 141.2,125.77 v3(141.36,125.94)
